# KiCad board heimdall.kicad_pcb (continued)
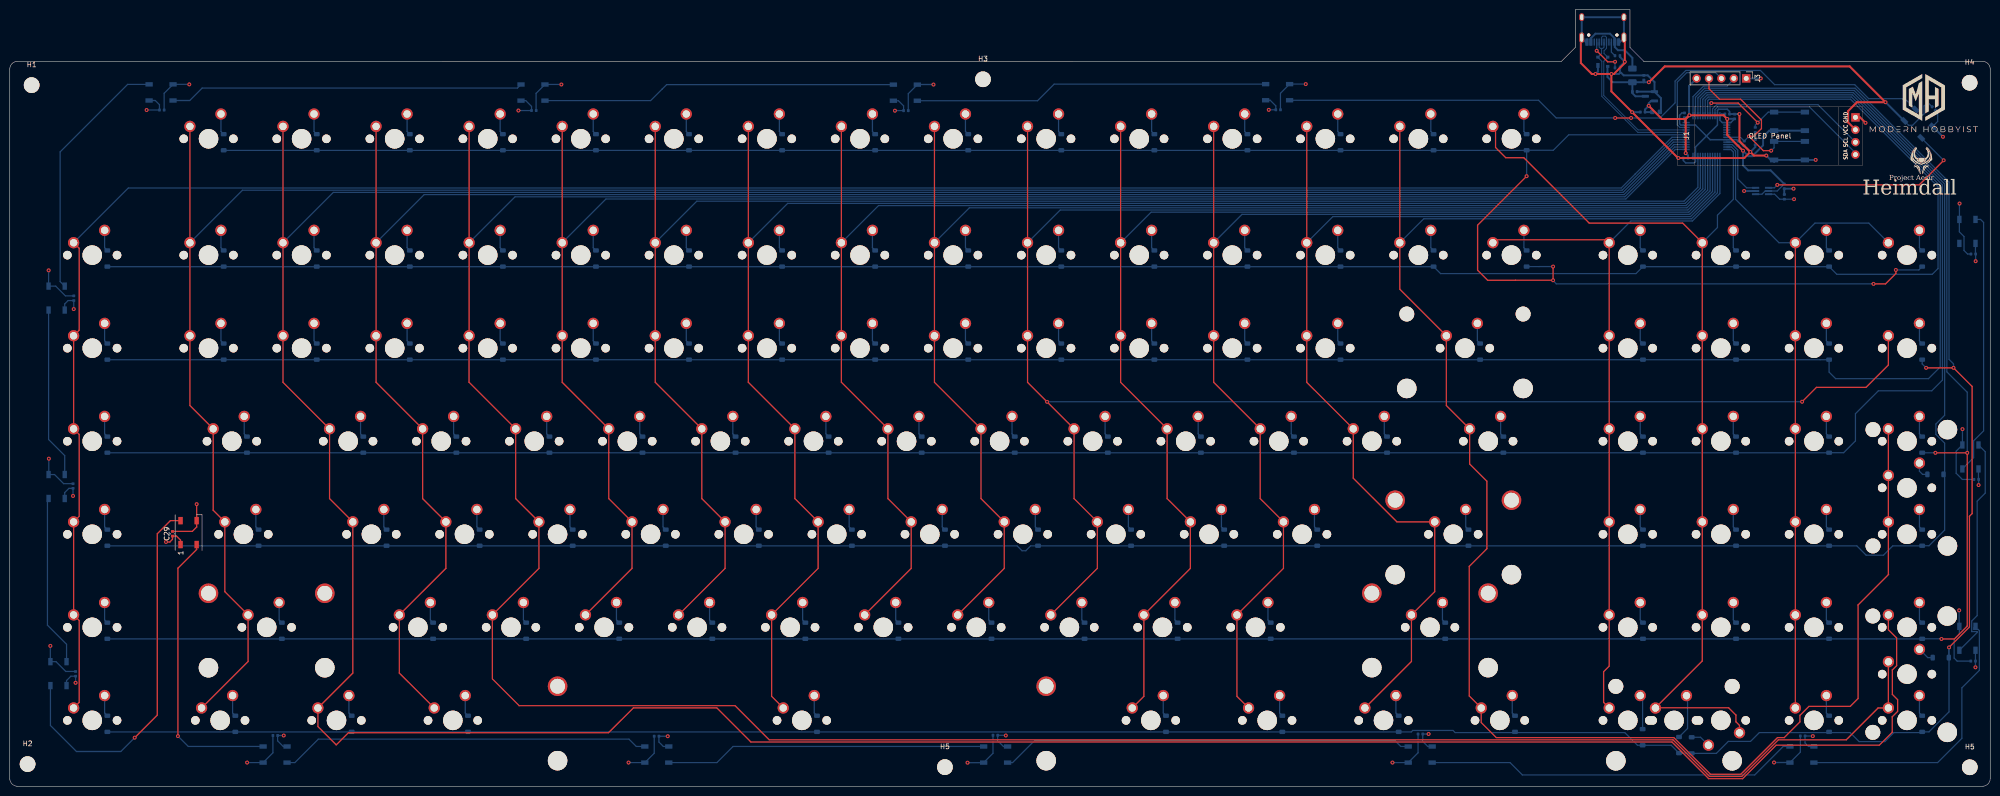
[diagram p0: board, top side]
## Routing (per net, layer and track width the routed paths; a pad name or vN(x,y) marks a point on that pad's centre or on a via; arc(x,y) is an arc through that point) (continued)
Net-(D90-A): length 4.4
  Bottom w0.25: D90.2 371.84,53.09 MX90.2
Net-(D91-A): length 4.4
  Bottom w0.25: MX91.2 390.89,53.09 D91.2
Net-(D92-A): length 4.4
  Bottom w0.25: D92.2 19.41,34.04 MX92.2
Net-(D93-A): length 4.4
  Bottom w0.25: D93.2 55.13,34.04 MX93.2
Net-(D94-A): length 4.4
  Bottom w0.25: MX94.2 86.09,34.04 D94.2
Net-(D95-A): length 4.4
  Bottom w0.25: MX95.2 105.14,34.04 D95.2
Net-(D96-A): length 4.4
  Bottom w0.25: D96.2 124.19,34.04 MX96.2
Net-(D97-A): length 4.4
  Bottom w0.25: D97.2 143.24,34.04 MX97.2
Net-(D98-A): length 4.4
  Bottom w0.25: MX98.2 162.29,34.04 D98.2
Net-(D99-A): length 4.4
  Bottom w0.25: MX99.2 181.34,34.04 D99.2
Net-(D100-A): length 4.4
  Bottom w0.25: MX100.2 200.39,34.04 D100.2
Net-(D101-A): length 4.4
  Bottom w0.25: D101.2 219.44,34.04 MX101.2
Net-(D102-A): length 4.4
  Bottom w0.25: MX102.2 238.49,34.04 D102.2
Net-(D103-A): length 4.4
  Bottom w0.25: D103.2 257.54,34.04 MX103.2
Net-(D104-A): length 4.4
  Bottom w0.25: MX104.2 293.26,34.04 D104.2
Net-(D105-A): length 4.4
  Bottom w0.25: D105.2 333.74,34.04 MX105.2
Net-(D106-A): length 4.4
  Bottom w0.25: D106.2 352.79,34.04 MX106.2
Net-(D107-A): length 4.4
  Bottom w0.25: D107.2 371.84,34.04 MX107.2
Net-(D108-A): length 4.4
  Bottom w0.25: D108.2 390.89,34.04 MX108.2
Net-(D109-A): length 4.4
  Bottom w0.25: MX109.2 19.41,14.99 D109.2
Net-(D110-A): length 4.4
  Bottom w0.25: MX110.2 45.61,14.99 D110.2
Net-(D111-A): length 4.4
  Bottom w0.25: D111.2 69.42,14.99 MX111.2
Net-(D112-A): length 4.4
  Bottom w0.25: D112.2 93.23,14.99 MX112.2
Net-(D113-A): length 4.4
  Bottom w0.25: D113.2 164.67,14.99 MX113.2
Net-(D114-A): length 4.4
  Bottom w0.25: D114.2 236.11,14.99 MX114.2
Net-(D115-A): length 4.4
  Bottom w0.25: MX115.2 259.92,14.99 D115.2
Net-(D116-A): length 4.4
  Bottom w0.25: D116.2 283.73,14.99 MX116.2
Net-(D117-A): length 4.4
  Bottom w0.25: MX117.2 307.55,14.99 D117.2
Net-(D118-A): length 7.1
  Bottom w0.25: MX118.2 334.23,18.07 D118.2
Net-(D119-A): length 4.1
  Bottom w0.25: MX119.2 346.08,10.03 D119.2
Net-(D120-DOUT): length 139.6
  Top w0.25: v1(328.6,136.81) v1(331.85,136.81)
  Bottom w0.25: v1(331.85,136.81) 337.77,136.81 340.87,139.91 340.87,144.35 343.06,146.53 358.35,146.53 361.25,143.63 377.64,143.63 380.5,140.76 387.9,140.76 D120.2 ; D121.4 312.92,140.44 316.53,136.83 328.58,136.83 v1(328.6,136.81)
Net-(D121-DOUT): length 72.7
  Bottom w0.25: D121.2 213.77,143.74 210.37,140.34 D122.4
Net-(D122-DOUT): length 72.7
  Bottom w0.25: D123.4 131.17,140.36 133.56,142.76 133.58,142.76 134.46,143.64 D122.2
Net-(D123-DOUT): length 72.6
  Bottom w0.25: D123.2 103.92,142.94 39.38,142.94 36.83,140.39 D124.4
Net-(D124-DOUT): length 51.8
  Bottom w0.25: D125.4 10.31,103.32 10.31,129.87 24.12,143.69 D124.2
Net-(D125-DOUT): length 35
  Bottom w0.25: D125.2 7.94,70.99 11.24,67.69 D126.4
Net-(D126-DOUT): length 35.1
  Bottom w0.25: D126.2 7.71,58.68 7.71,32.98 11.62,29.07 D127.4
Net-(D128-DOUT): length 75.8
  Bottom w0.25: D128.2 58.34,4.84 63.14,9.64 126.74,9.64 128.24,8.14 D129.4
Net-(D129-DOUT): length 65.8
  Bottom w0.25: D130.4 148.04,8.14 144.74,4.84 D129.2
Net-(D130-DOUT): length 84.4
  Bottom w0.25: D130.2 205.26,4.84 209.76,9.34 283.54,9.34 284.74,8.14 D131.4
Net-(D131-DOUT): length 76.7
  Bottom w0.25: D132.4 362.99,8.14 357.17,2.31 309.62,2.31 307.09,4.84 D131.2
Net-(D132-DOUT): length 57.9
  Bottom w0.25: D133.4 402.04,32.41 402.04,32.11 402.9,32.11 403.16,31.85 403.16,23.73 399.58,20.15 399.58,9.81 394.61,4.84 D132.2
Net-(D133-DOUT): length 46.4
  Bottom w0.25: D134.4 404.36,68.48 404.36,60.01 402.71,58.36 402.71,34.93 401.59,33.81 401.59,31.66 402.71,31.66 402.71,31.48 D133.2
Net-(D134-DOUT): length 54.2
  Bottom w0.25: D134.2 401.98,67.26 401.98,70.71 404.02,72.76 404.02,115.42 403.4,116.04 D135.4
Net-(D137-A): length 4.4
  Bottom w0.25: MX120.2 371.84,14.99 D137.2
Net-(D138-A): length 4.4
  Bottom w0.25: D138.2 390.89,14.99 MX121.2
Net-(D139-A): length 9.3
  Bottom w0.25: 343.21,18.61 343.42,18.39 343.42,11.82 D139.2
Net-(D140-A): length 3.4
  Bottom w0.25: MX123.2 392.6,26.33 D140.2
Net-(D141-A): length 3.6
  Bottom w0.25: D141.2 391.53,63.85 390.89,64.49 MX124.2
Net-(J2-CC1): length 7.6
  Top w0.25: v1(328.58,148.31) 327.08,148.31 v1(324.83,150.56)
  Bottom w0.25: R1.2 328.57,148.3 v1(328.58,148.31) ; v1(324.83,150.56) 324.83,152.27
Net-(J2-CC2): length 3
  Bottom w0.25: 327.83,152.27 327.83,150.3 R2.1
Net-(R3-Pad2): length 1.5
  Bottom w0.4: R4.1 R3.2

## Copper pours and planes (outline as drawn; the poured copper is in the pictures)
+5V on P.Cu: -7.42,166.92 411.63,166.05 410.85,-8.29 -7.53,-3.12
GND on Gnd.Cu: -4.6,166.51 409.2,164.46 407.15,-5.57 -3.6,-1.24

## Text on the board
B.Silkscreen: 3v3 | SWD | SWC | GND | Designed by Charlie Steenhagen | Project Aesir | Heimdall
F.Silkscreen: Project Aesir | Heimdall
